# Altium PCB cPCIs_controller.pcbdoc (part 1 of 4) (continued)
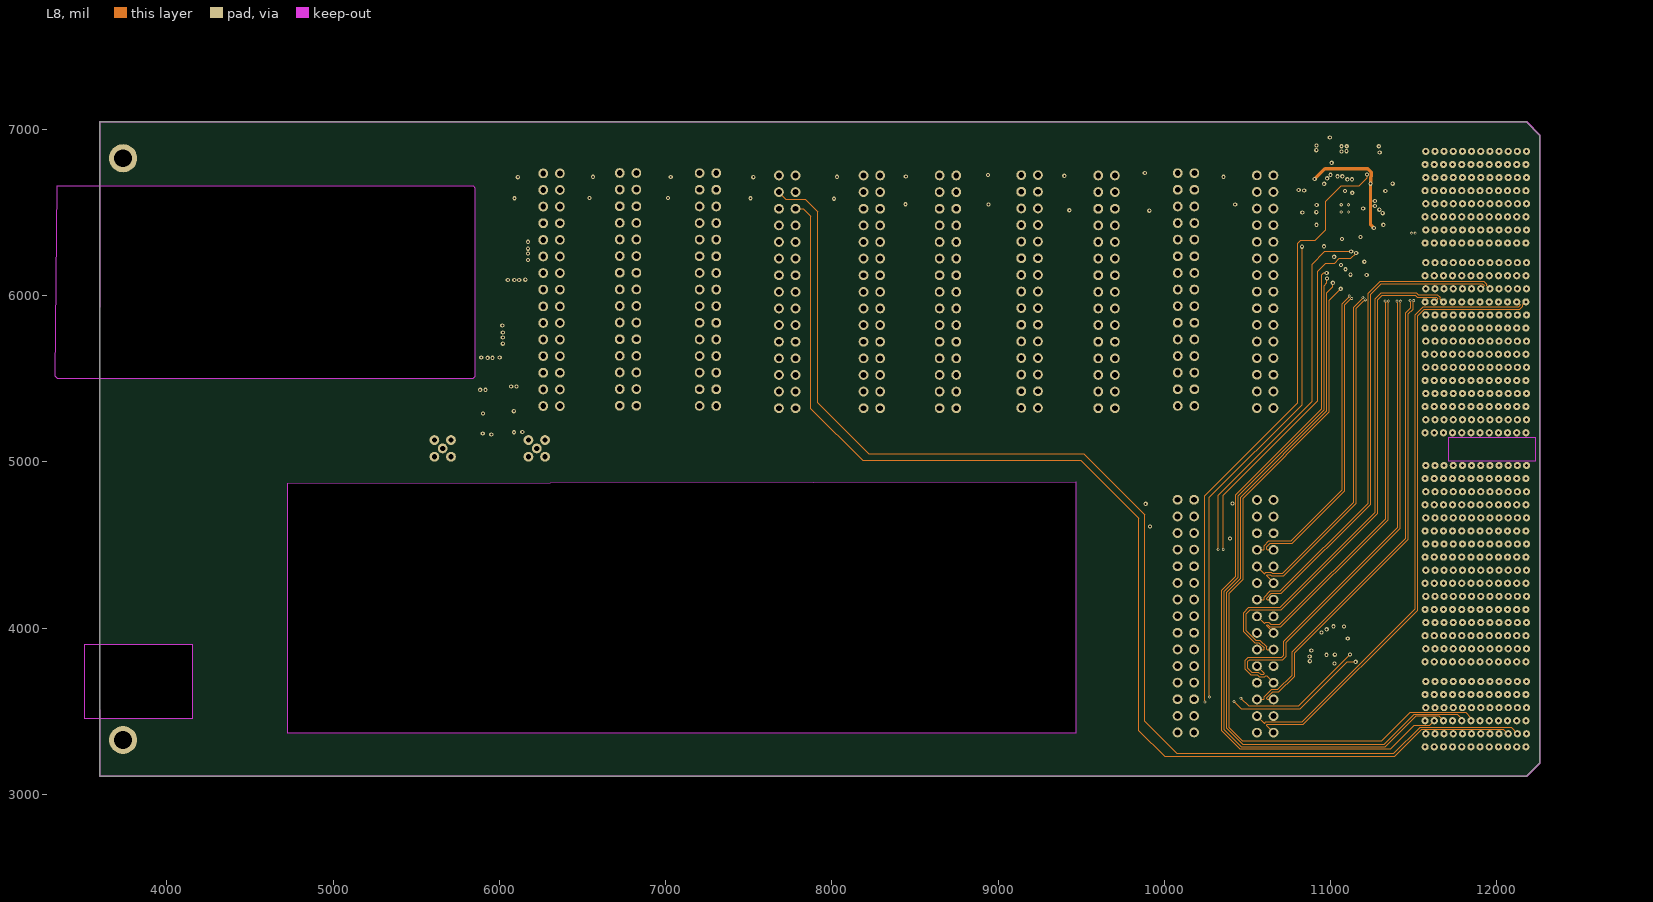
[diagram p8: L8]
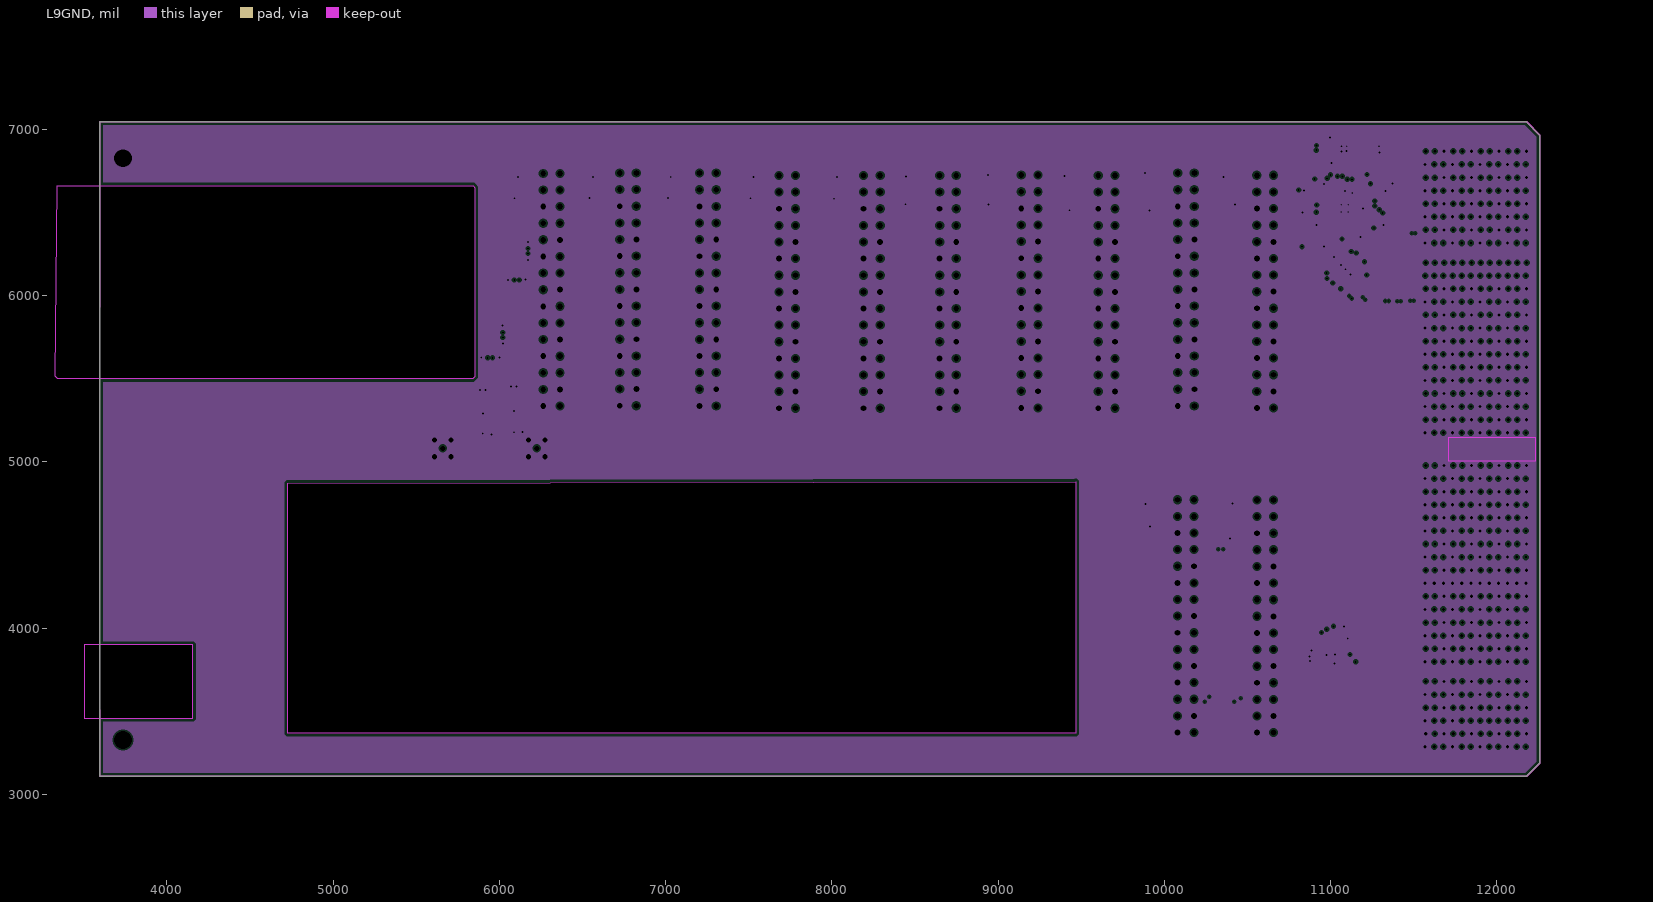
[diagram p9: L9GND, clearances drawn from the general rule]
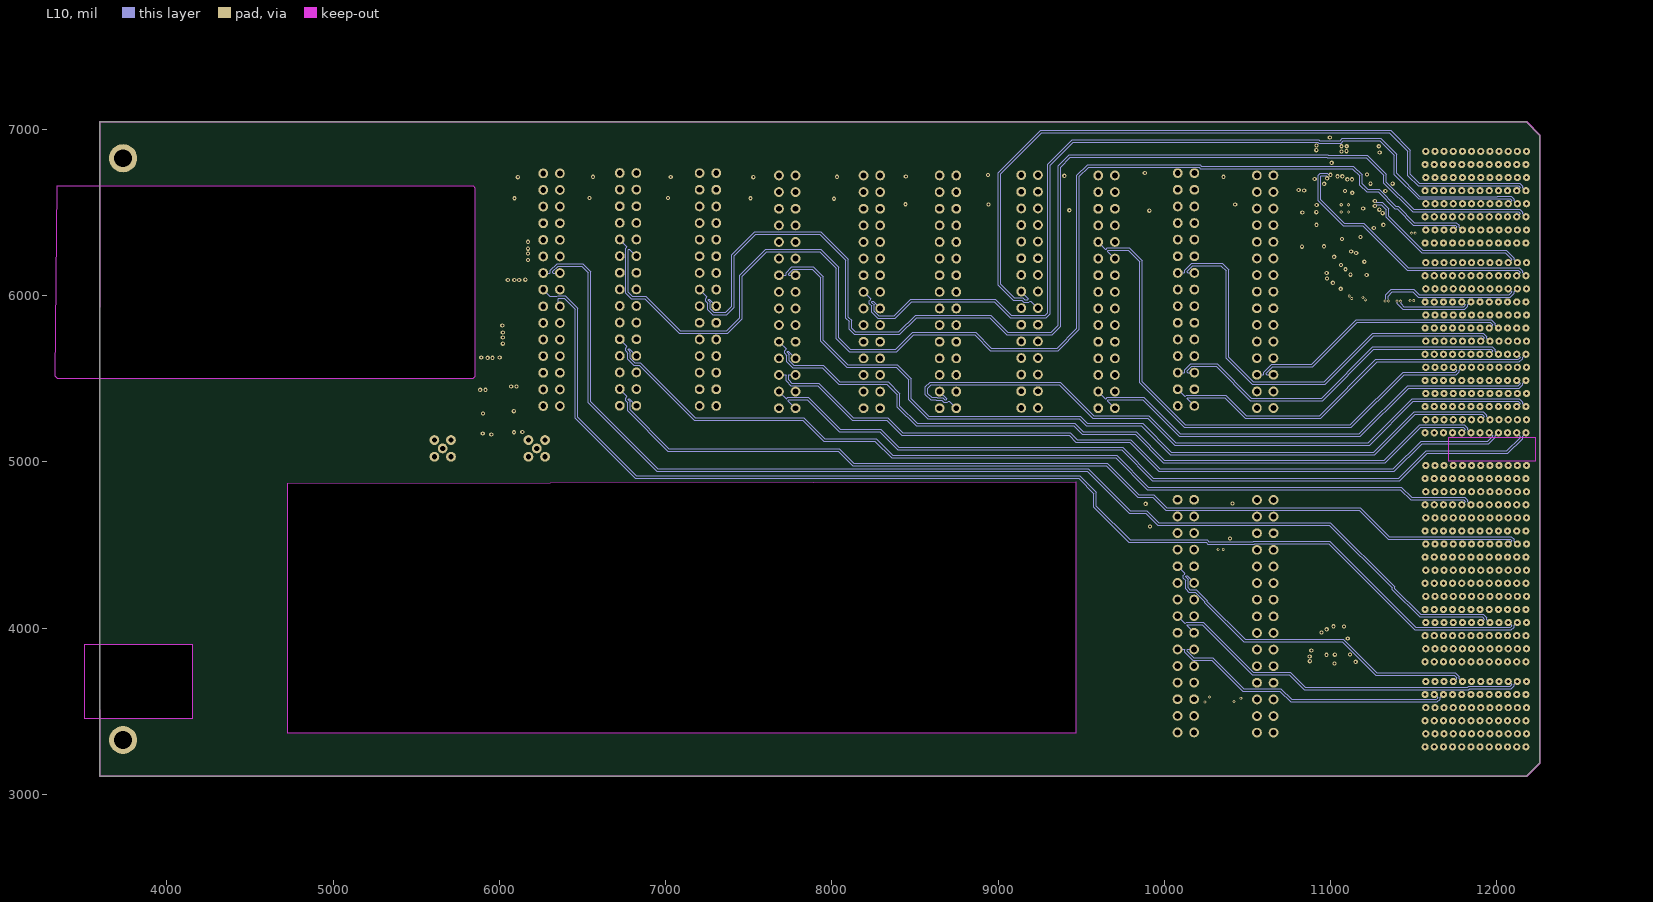
[diagram p10: L10]
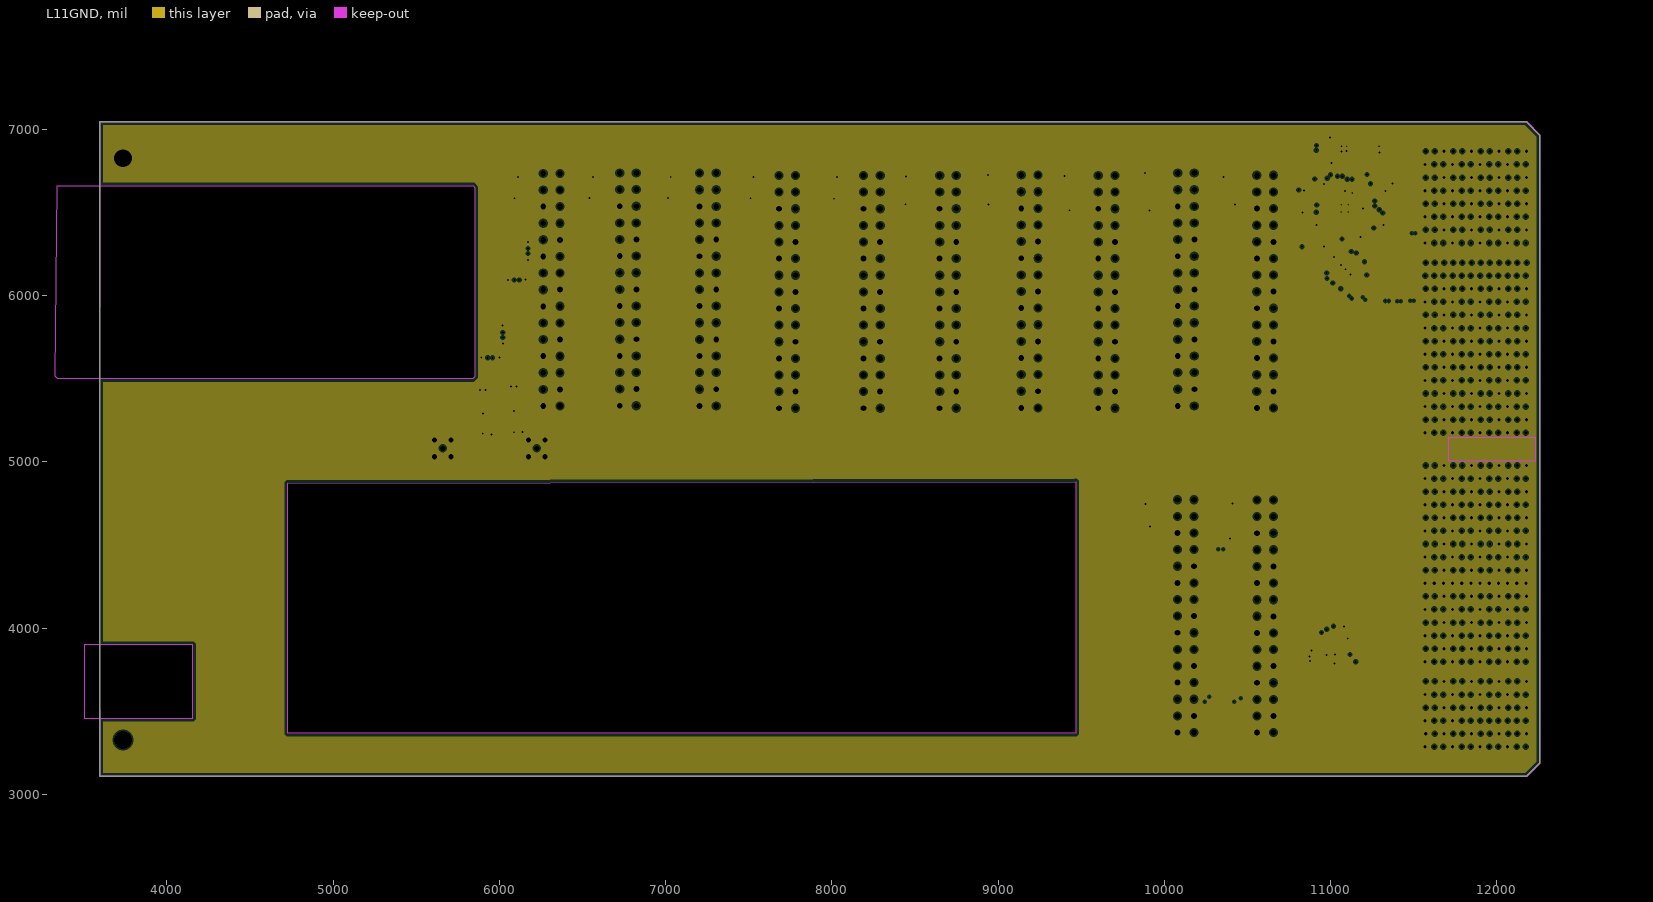
[diagram p11: L11GND, clearances drawn from the general rule]
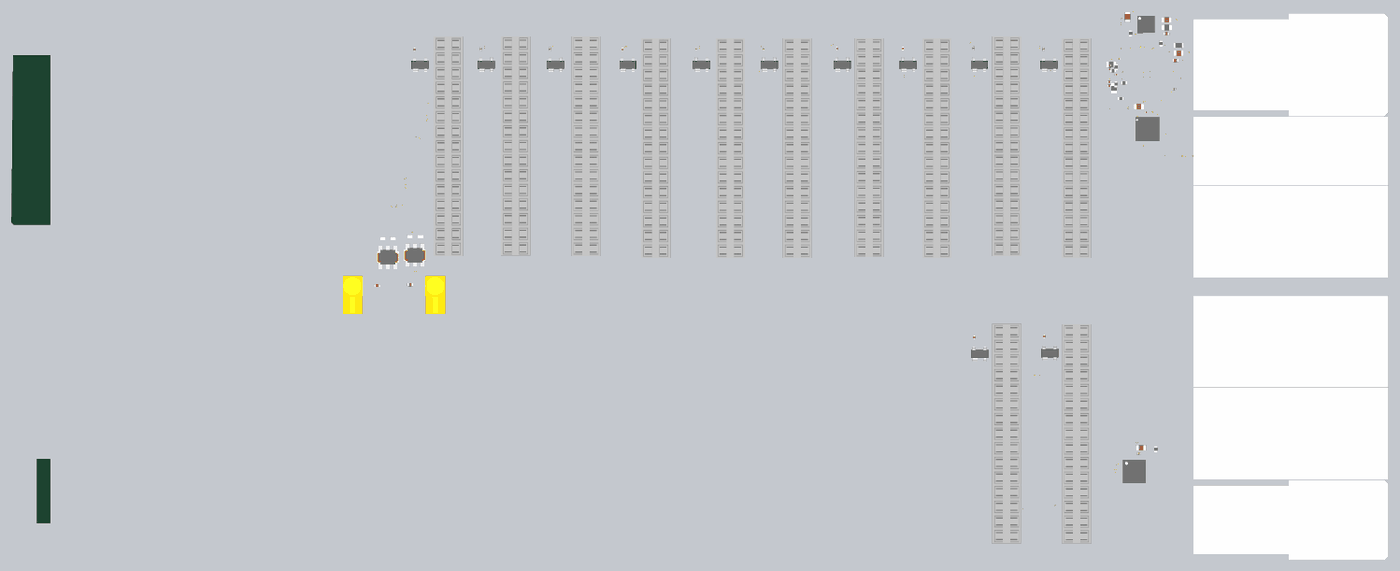
[diagram p15: 3D render of the assembled board from above, using the file's embedded part models]
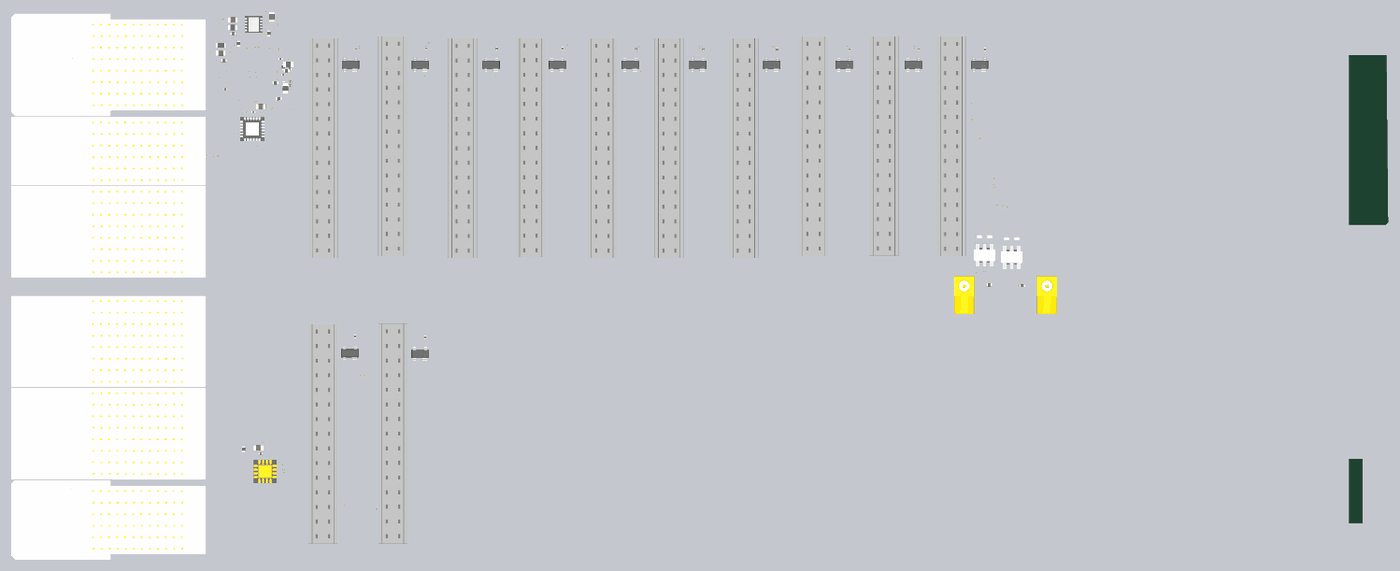
[diagram p16: 3D render of the assembled board from below, using the file's embedded part models]

## Layer stack, top to bottom
Top Solder: solder mask 0.394, Solder Resist, Dk 3.5
Top Layer: signal copper 1.3778
Dielectric1: prepreg 7.087, FR-4, Dk 4.2
L2GND: plane copper 0.709, net GND
Dielectric 2: core 5.906, FR-4, Dk 4.2
L3: signal copper 0.709
Dielectric3: prepreg 7.087, FR-4, Dk 4.2
L4GND: plane copper 0.709, net GND
Dielectric 4: core 5.906, FR-4, Dk 4.2
L5: signal copper 0.709
Dielectric 1: prepreg 7.087, PP-006, Dk 4.2
L6GND: plane copper 0.7, net GND
Dielectric 6: core 5.906, FR-4, Dk 4.2
L7PWR: signal copper 0.7
Dielectric 3: prepreg 7.087, PP-006, Dk 4.2
L8: signal copper 0.709
Dielectric 8: core 5.906, FR-4, Dk 4.2
L9GND: plane copper 0.709, net GND
Dielectric 9: prepreg 7.087, FR-4, Dk 4.2
L10: signal copper 0.709
Dielectric 10: core 5.906, FR-4, Dk 4.2
L11GND: plane copper 0.709, net GND
Dielectric 11: prepreg 7.087, FR-4, Dk 4.2
Bottom Layer: signal copper 1.3778
Bottom Solder: solder mask 0.394, Solder Resist, Dk 3.5

## Board outline
3595.47,3509.84 3595.47,5675.2 3595.47,5929.13 3595.47,7045.28 12179.69,7045.28 12258.41,6966.55 12258.41,3187 12179.69,3108.27 3595.47,3108.27
cut-out: 4154,3459 4154,3900 3502,3900 3502,3459
cut-out: 3339,6660 5842,6660 5852,6650 5852,5513 5840,5501 3342,5501 3328,5515
cut-out: 9467.8,4879.15 9467.8,3367 4726.2,3367 4726.2,4872.46

## Design rules (kind name [scope] priority, off if disabled: settings)
Clearance Clearance_NT [InComponent('NT*')] p1: gap=0 ignorepadtopadclearanceinfootprint=TRUE
Clearance Clearance_Poly [InPoly] p2: gap=7.09 ignorepadtopadclearanceinfootprint=FALSE
Clearance [All vs not HasFootprint('Net Tie')] p3: gap=3.54 ignorepadtopadclearanceinfootprint=FALSE except(0: Arc-Hole Track-Hole SMDPad-Hole THPad-Hole Via-Hole Fill-Hole Poly-Hole Region-Hole Text-Hole)
ComponentClearance ComponentClearance_pressfit [HasCompParameterValue('PressFit','Yes') vs InComponent('No Component')] p1: gap=196.85 collisioncheckmode=3 verticalgap=10 showdistances=FALSE
ComponentClearance ComponentClearance_NM [InComponentClass('NotMounted')] p2: gap=0 collisioncheckmode=3 verticalgap=0 showdistances=FALSE
ComponentClearance ComponentClearance_Top [not InComponentClass('Overlapping') and InComponentClass('Top Side Components') vs InComponentClass('Top Side Components')] p3: gap=0 collisioncheckmode=3 verticalgap=100000 showdistances=FALSE
ComponentClearance Overlapping [InComponentClass('Overlapping') vs InComponentClass('Overlapping')] p4: gap=0 collisioncheckmode=3 verticalgap=0 showdistances=FALSE
DiffPairsRouting [All] p1: maxlimit=10 minlimit=3.94 mostfreqgap=10 toplayer_mingap=5 toplayer_maxgap=7.87 toplayer_prefgap=5 toplayer_minwidth=3.94 toplayer_maxwidth=8 toplayer_prefwidth=8 midlayer1_minwidth=3.15 midlayer1_maxwidth=5 midlayer1_prefwidth=5 midlayer2_minwidth=3.15 midlayer2_maxwidth=5 midlayer2_prefwidth=5 midlayer3_minwidth=3.15 midlayer3_maxwidth=5 midlayer3_prefwidth=5 midlayer4_minwidth=3.15 midlayer4_maxwidth=5 midlayer4_prefwidth=5 midlayer6_mingap=5 midlayer6_maxgap=5 midlayer6_prefgap=5 midlayer6_minwidth=3.26 midlayer6_maxwidth=3.26 midlayer6_prefwidth=3.26 bottomlayer_mingap=5 bottomlayer_maxgap=7.87 bottomlayer_prefgap=5 bottomlayer_minwidth=3.94 bottomlayer_maxwidth=8 bottomlayer_prefwidth=8 impedanceprofiledriven=TRUE impedanceprofileid={C2972857-55EA-4DA2-981F-FDB49DCE57D0} impedanceprofilevalue=100.000000 maxuncoupledlength=1968.5
FabricationTestPointUsage TestPointUsage [All] p1: valid=0 allowmultiple=FALSE
FabricationTestpoint Testpoint [All] p1: side=3 testpointundercomponent=TRUE minsize=40 maxsize=100 preferedsize=60 minholesize=0 maxholesize=40 preferedholesize=32.01 testpointgrid=0.98 allowsidetop=TRUE allowsidebottom=TRUE usegrid=TRUE gridtolerance=0.01
Height [All] p1: minheight=0 maxheight=984.25 prefheight=393.7
HoleSize [All] p1: absolutevalues=TRUE maxlimit=196.85 minlimit=7.87 maxpercent=80.000 minpercent=20.000
HoleToHoleClearance [All] p1: gap=7.87 allowstackedmicrovias=TRUE
Length "Length CPCIs2a + XS" [InNetClass('CPCIs2a') or InxSignalClass('CPCIs2 XS')] p1: maxlimit=4960.63 minlimit=4763.78
Length "Length CPCIs5a + XS" [InNetClass('CPCIs5a')    or InxSignalClass('CPCIs5 XS')] p2: maxlimit=6106.3 minlimit=5944.88
MatchedLengths DiffPair_gbtclkm2c_MatchedLengths [InDifferentialPair ('FMCGBTCLKM2C_C1') Or InDifferentialPair ('FMCGBTCLKM2C_C0')] p1: tolerance=196.85 checknetsindiffpair=FALSE checkdiffpairvsdiffpair=TRUE checkxsignals=TRUE checkothers=TRUE
MatchedLengths DiffPair_gbtxClockDes_MatchedLengths [InDifferentialPair ('GBTXCLOCKDES_N0') Or InDifferentialPair ('GBTXCLOCKDES_P0') Or InDifferentialPair ('GBTXCLOCKDES_N1') Or InDifferentialPair ('GBTXCLOCKDES_P1')Or InDifferentialPair ('GBTXCLOCKDES_N2') Or InDifferentialPair ('GBTXCLOCKDES_P2')Or InDifferentialPair ('GBTXCLOCKDES_N3') Or InDifferentialPair ('GBTXCLOCKDES_P3') Or InDifferentialPair ('GBTXCLOCKDES_N4') Or InDifferentialPair ('GBTXCLOCKDES_P4')] p2: tolerance=196.85 checknetsindiffpair=FALSE checkdiffpairvsdiffpair=TRUE checkxsignals=TRUE checkothers=TRUE
MatchedLengths DiffPair_Scout_ScclkMatchedLengths [InDifferentialPair ('GBTXELINKSSCCLK') Or InDifferentialPair ('GBTXELINKSSCOUT')] p3: tolerance=196.85 checknetsindiffpair=FALSE checkdiffpairvsdiffpair=TRUE checkxsignals=TRUE checkothers=TRUE
MinimumAnnularRing MinimumAnnularRing_Via [IsVia] p1: minimumring=4.72
MinimumAnnularRing [All] p2: minimumring=7.8
MinimumSolderMaskSliver [IsThruPin vs IsThruPin] p1: minsoldermaskwidth=0
NetAntennae [All] p1 off: netantennaetolerance=0
PermittedLayers [All] p1: toplayerpermitted=TRUE bottomlayerpermitted=FALSE
PlaneClearance [All] p1: clearance=9.84
PlaneConnect PlaneConnect_ft_pcbm [InPadClass('ft_pcbm')] p1 off: planeconnectstyle=Relief reliefexpansion=9.84 reliefentries=4 reliefconductorwidth=7.87 reliefairgap=7.87
PlaneConnect PlaneConnect_Vias [IsVia or InPadClass('Direct')] p2 off: planeconnectstyle=Direct reliefexpansion=20 reliefentries=4 reliefconductorwidth=10 reliefairgap=10
PlaneConnect "PlaneConnect_0 > 0.5" [AsMM(HoleDiameter)<0.5] p3 off: planeconnectstyle=Relief reliefexpansion=11.81 reliefentries=4 reliefconductorwidth=7.87 reliefairgap=7.87
PlaneConnect "PlaneConnect_0.5 > 1" [(AsMM(HoleDiameter)>=0.5) and (AsMM(HoleDiameter)<1)] p4 off: planeconnectstyle=Relief reliefexpansion=11.81 reliefentries=4 reliefconductorwidth=9.84 reliefairgap=7.87
PlaneConnect "PlaneConnect_1 > 1.5" [(AsMM(HoleDiameter)>=1) and (AsMM(HoleDiameter)<1.5)] p5 off: planeconnectstyle=Relief reliefexpansion=11.81 reliefentries=4 reliefconductorwidth=11.81 reliefairgap=7.87
PlaneConnect "PlaneConnect_1.5 > 2" [(AsMM(HoleDiameter)>=1.5) and (AsMM(HoleDiameter)<2)] p6 off: planeconnectstyle=Relief reliefexpansion=11.81 reliefentries=4 reliefconductorwidth=15.75 reliefairgap=7.87
PlaneConnect [All] p7: pad.planeconnectstyle=Relief pad.reliefexpansion=11.81 pad.reliefentries=4 pad.reliefconductorwidth=19.68 pad.reliefairgap=7.87 via.planeconnectstyle=Direct via.reliefexpansion=11.81 via.reliefentries=4 via.reliefconductorwidth=19.68 via.reliefairgap=7.87
PolygonConnect PolygonConnect_Vias [IsVia or InPadClass('Direct') or InNetClass('ESD_STRIP')] p1 off: connectstyle=Direct reliefconductorwidth=10 reliefentries=4 polygonreliefangle="90 Angle" airgapwidth=10
PolygonConnect "PolygonConnect_0 > 0.5" [AsMM(HoleDiameter)<0.5] p2 off: connectstyle=Relief reliefconductorwidth=7.87 reliefentries=4 polygonreliefangle="90 Angle" airgapwidth=7.87
PolygonConnect "PolygonConnect_0.5 > 1" [(AsMM(HoleDiameter)>=0.5) and (AsMM(HoleDiameter)<1)] p3 off: connectstyle=Relief reliefconductorwidth=9.84 reliefentries=4 polygonreliefangle="90 Angle" airgapwidth=7.87
PolygonConnect "PolygonConnect_1 > 1.5" [(AsMM(HoleDiameter)>=1) and (AsMM(HoleDiameter)<1.5)] p4 off: connectstyle=Relief reliefconductorwidth=11.81 reliefentries=4 polygonreliefangle="90 Angle" airgapwidth=7.87
PolygonConnect "PolygonConnect_1.5 > 2" [(AsMM(HoleDiameter)>=1.5) and (AsMM(HoleDiameter)<2)] p5 off: connectstyle=Relief reliefconductorwidth=15.75 reliefentries=4 polygonreliefangle="90 Angle" airgapwidth=7.87
PolygonConnect [All] p6: thpad.connectstyle=Relief thpad.reliefconductorwidth=19.68 thpad.reliefentries=4 thpad.polygonreliefangle="90 Angle" thpad.airgapwidth=7.87 smdpad.connectstyle=Relief smdpad.reliefconductorwidth=19.68 smdpad.reliefentries=4 smdpad.polygonreliefangle="90 Angle" smdpad.airgapwidth=7.87 via.connectstyle=Direct via.reliefconductorwidth=19.68 via.reliefentries=4 via.polygonreliefangle="90 Angle" via.airgapwidth=7.87
RoomDefinition CPCIS_EEM_Controller [InComponentClass('CPCIS_EEM_Controller')] p1: confinementstyle=ConfineIn formatcopy=TRUE lockcomponents=FALSE outline 12303,3163 13516,3163 13516,3485 12303,3485
RoomDefinition CLK_DIST [InComponentClass('CLK_DIST')] p2: confinementstyle=ConfineIn formatcopy=TRUE lockcomponents=FALSE outline 12303,3163 17269,3163 17269,3599 12303,3599
RoomDefinition U_Cpcis_connectors_P4_P5_P6 [InComponentClass('U_Cpcis_connectors_P4_P5_P6')] p3: confinementstyle=ConfineIn formatcopy=TRUE lockcomponents=FALSE outline 12322.84,3228.35 14842.53,3228.35 14842.53,4803.15 12322.84,4803.15
RoomDefinition U_Cpcis_connectors_P1_P2_P3 [InComponentClass('U_Cpcis_connectors_P1_P2_P3')] p4: confinementstyle=ConfineIn formatcopy=TRUE lockcomponents=FALSE outline 0,0 2000,0 2000,1000 0,1000
RoomDefinition U_IDC_EXT_Connectors [InComponentClass('U_IDC_EXT_Connectors')] p5: confinementstyle=ConfineIn formatcopy=TRUE lockcomponents=FALSE outline 5892,3531 6483,3531 6483,5893 5892,5893
RoutingVias [All] p1: holewidth=11.81 width=25.59 viastyle="Through Hole" minholewidth=7.87 minwidth=17.72 maxholewidth=19.68 maxwidth=39.37
ShortCircuit ShortCircuit_NT [InComponent('J34') or  InComponent('J31') or InComponent('J30') or InComponent('J29') or InComponent('J33') or InComponent('J26') vs InComponent('NT*')] p1: allowed=TRUE
ShortCircuit [All] p2: allowed=FALSE
SilkToSilkClearance [All] p1: silktosilkclearance=1.97
SilkToSolderMaskClearance [IsPad] p1: minsilkscreentomaskgap=3.15 clearancetoexposedcopper=TRUE
SolderMaskExpansion [All] p1: expansion=0 istentingtop=FALSE
ViasUnderSMD ViasUnderSMD_1 [HasFootprint ('CAPC0603X33N')   or HasFootprint ('RESC1005X40N')  or HasFootprint('CAPC1608X87N')   or HasFootprint('CAPC1005X55N')   or  HasFootprint('Net Tie')] p1: allowed=TRUE
ViasUnderSMD [not InComponentClass('Overlapping')] p2: allowed=FALSE
Width [All] p1: maxlimit=100 minlimit=5 preferedwidth=5
16 further rules are at their usual default settings.
